# Altium PCB cam_cross_link_generic.PcbDoc (part 3 of 4) (continued)
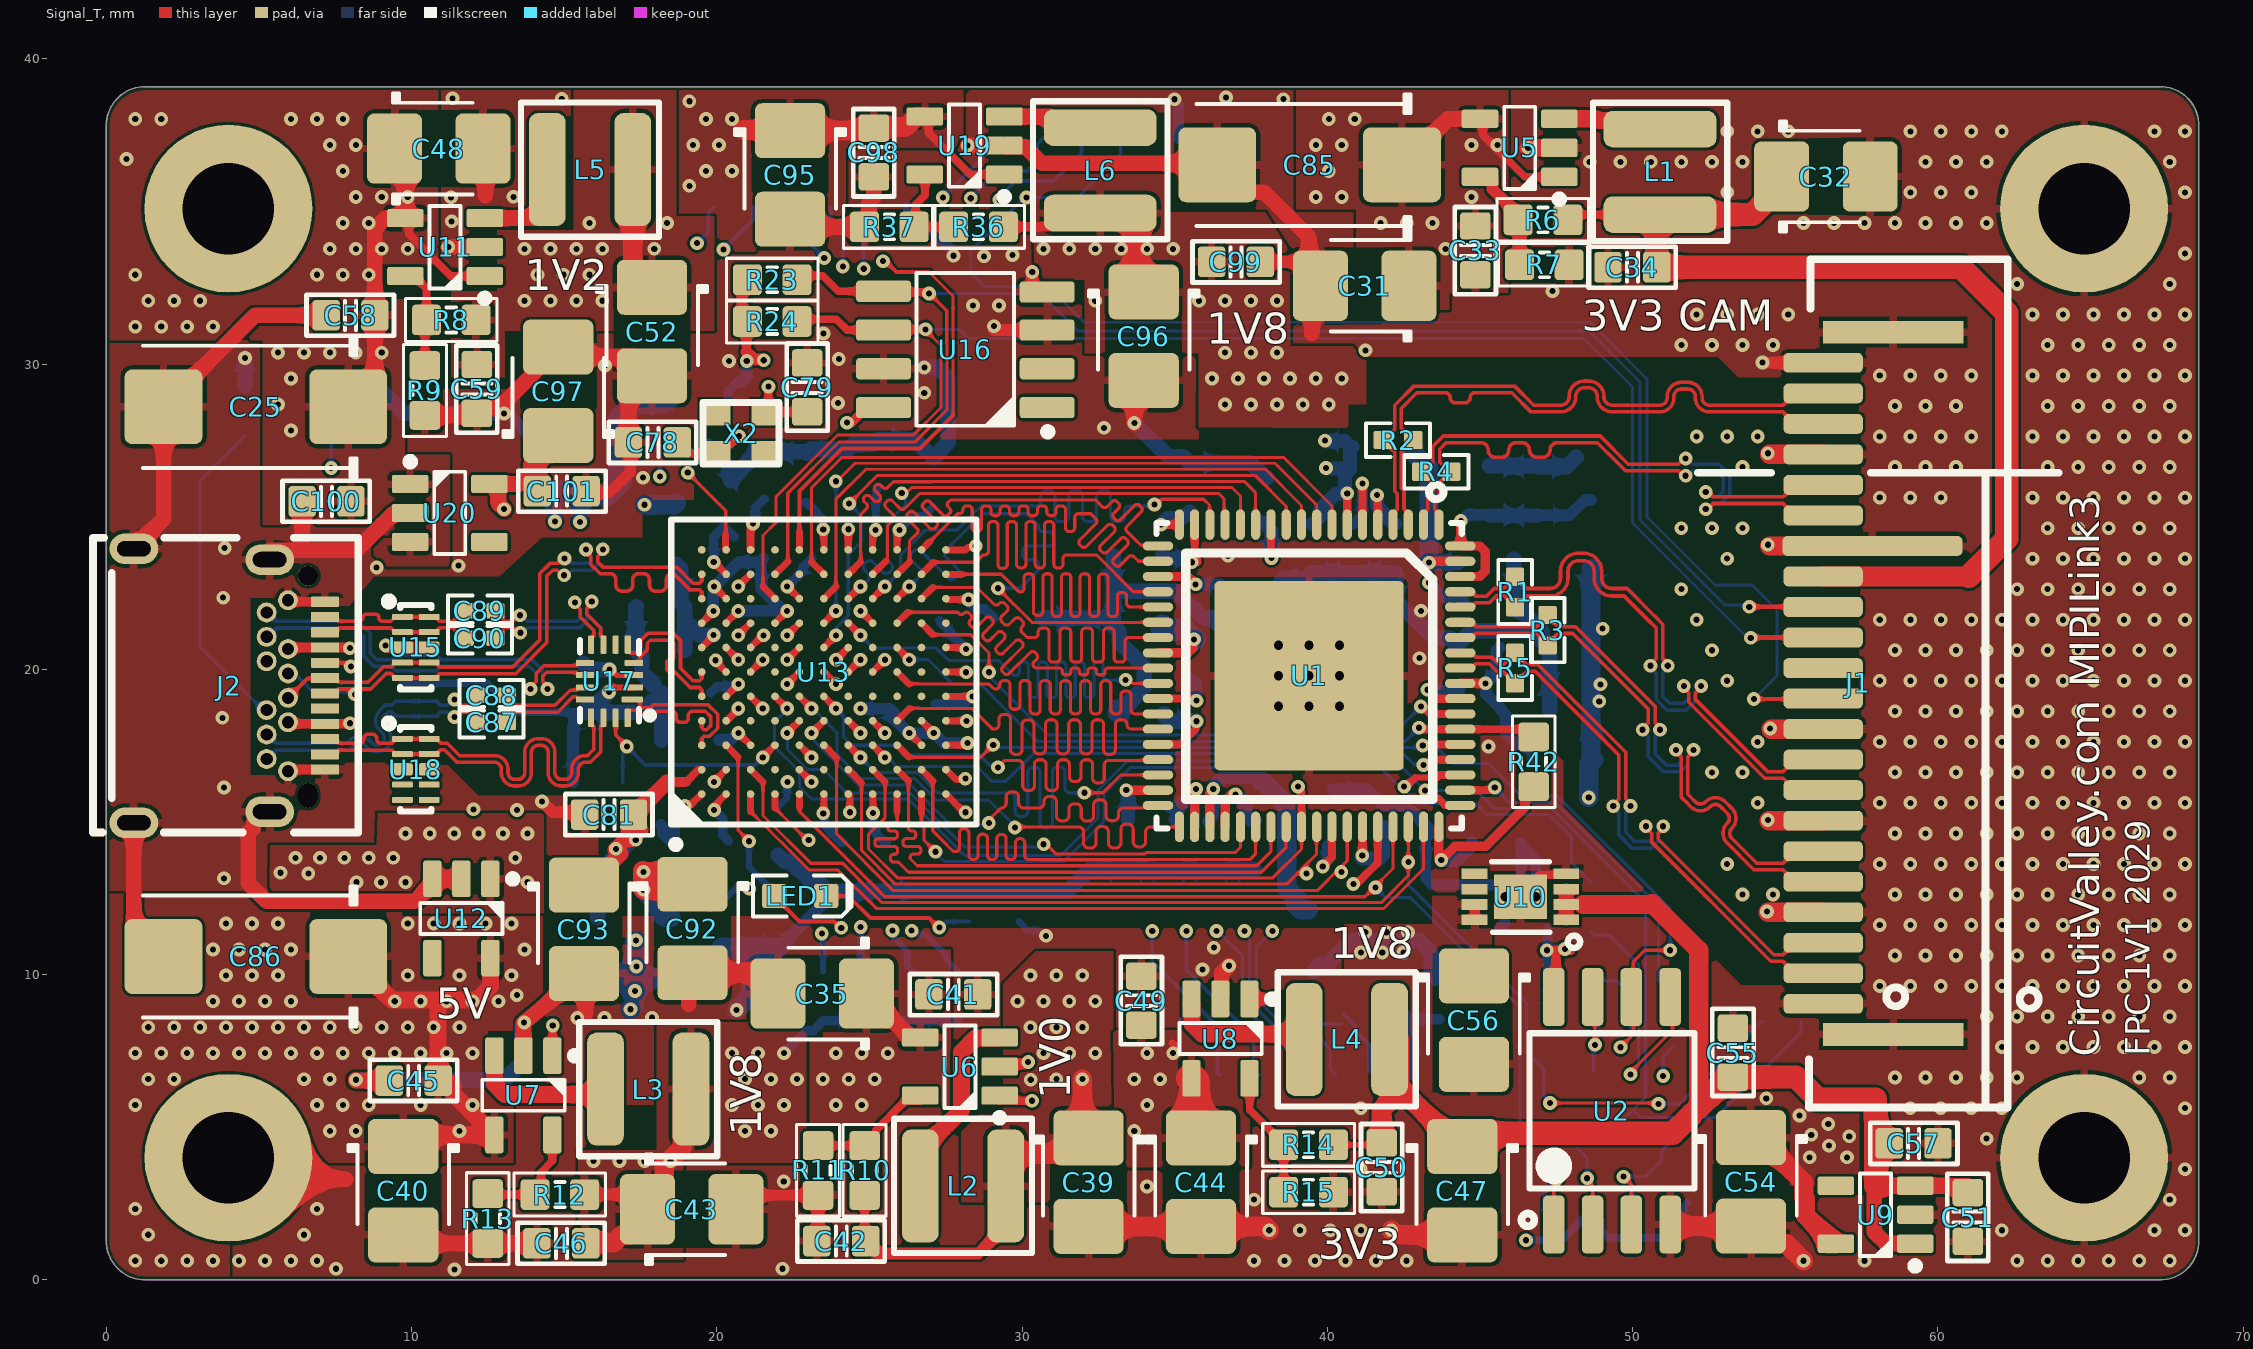
[diagram p0: Signal_T view]
## Nets (pads, with @x,y where several pads share a name; then routed paths per layer and width w, separated by ;. In a path a pad name is that pad's centre, name@x,y a point inside that pad or via, vN(x,y) a via of type N, cw(c..) or ccw(c..) an arc to the next point about the centre after c; other vN are vias at no path point) (continued)
  Signal_B w0.45: C15.2@45.309,25.041 C16.2@46.907,25.041
NetC60_2: C60.2 C61.2 FB4.2 U13.B6 | length 17
  Signal_T w0.229: v1(19.964,20.296) 19.964,20.256 U13.B6@20.307,19.913
  PWR w0.508: v1(14.696,24.845) 15.504,24.845 v1(15.523,24.827) 15.548,24.852 16.525,24.852 19.025,22.352 19.025,20.803 19.533,20.295 v1(19.964,20.296) v1(19.964,20.296)
  Signal_B w0.508: C60.2@14.188,25.757 14.224,25.794 14.274,25.794 14.47,25.598 14.47,25.548 14.696,25.321 v1(14.696,24.845) ; v1@15.519,24.827 C61.2@15.519,25.718
  Signal_B w0.762: C60.2@14.479,25.801 C61.2@15.353,25.801 ; C61.2@15.519,25.718 16.394,25.718 16.84,26.164 16.84,28.245 17.354,28.759 18.286,28.759 18.38,28.853 FB4.2@18.38,28.905
NetC76_2: C76.2 C77.2 FB5.2 U13.A7 | length 4.4
  Signal_T w0.229: U13.A7@19.507,20.713 19.899,21.105 v1(19.899,21.127)
  Signal_B w0.508: FB5.2@18.669,23.444 18.815,23.298 18.815,22.193 18.951,22.057 18.951,21.407 18.951,20.632 C76.2@18.942,20.623 ; 19.157,21.407 19.455,21.109 19.875,21.109 19.893,21.127 v1(19.899,21.127)
NetC78_2: C78.2 U13.C6 X2.1 | length 11.2
  Signal_T w0.229: U13.C6@21.107,19.913 v1@21.514,20.32
  Signal_T w0.254: C78.2@18.707,27.432 18.707,27.382 19.03,27.059 19.08,27.059 19.081,27.058 X2.1@19.945,27.058 20.243,27.356 20.447,27.356 v1(20.726,27.635)
  Signal_INT w0.127: v1(20.726,27.635) 20.726,27.33 21.768,26.289 21.768,24.435 21.12,23.787 21.12,20.713 v1@21.514,20.32
  other v1: 21.507,20.313
NetC79_2: C79.2 U13.C7 X2.3 | length 11.3
  Signal_T w0.229: U13.C7@21.107,20.713 21.511,21.117 v1@21.536,21.117
  Signal_T w0.254: v1(21.692,29.261) 21.692,28.361 21.766,28.435 C79.2@22.962,28.435
  Signal_INT w0.127: v1@21.536,21.117 21.52,21.133 21.52,23.795 22.07,24.344 22.07,28.883 v1(21.692,29.261)
  other v1: 21.536,21.113
NetC80_2: C80.2 C92.1 FB6.2 U13.B5 | length 16.5
  Signal_T w0.229: U13.B5@20.307,19.113 v1@20.701,19.507
  Signal_T w0.635: v1@17.577,12.812 17.58,13.364 v1@17.581,13.402 ; v1(17.602,13.364) 17.608,13.359 18.802,13.359 C92.1@19.202,12.958 C92.1@19.785,12.376 ; v1@17.608,12.775 C92.1@18.802,12.775
  PWR w0.635: v1@17.588,12.702 v1@17.588,13.447 ; v1(17.602,13.364) 18.136,13.898 18.136,17.958 19.685,19.507 v1@20.701,19.507
  Signal_B w0.305: C80.2@19.799,19.228 20,19.428 20.583,19.428 20.662,19.507 v1@20.701,19.507
  Signal_B w0.635: 17.574,13.023 v1@17.574,13.369 ; v1(17.602,12.78) 18.134,12.248 18.134,12.029 18.291,11.871 FB6.2@18.491,11.871
  other v1: 20.707,19.513
NetC81_2: C81.2 C93.1 FB7.2 U13.A2 | length 10.6
  Signal_T w0.229: U13.A2@19.397,16.704 19.498,16.704 U13.A2@19.507,16.713
  Signal_T w0.254: 18.999,16.307 U13.A2@19.397,16.704
  Signal_T w0.305: 18.364,16.307 18.999,16.307
  Signal_T w0.508: C93.1@15.646,12.931 15.896,12.931 16.542,13.577 16.542,13.649 v1@16.852,13.959 ; v1@16.667,14.084 16.977,14.394 ; 17.109,14.414 17.109,14.912 17.43,15.233 17.43,15.372 18.364,16.307 ; v1@17.199,14.427 17.509,14.736
  PWR w0.508: v1@16.739,14.06 17.093,14.414 v1(17.345,14.414)
  Signal_B w0.508: FB7.2@16.104,11.871 16.104,13.284 16.795,13.976 16.795,14.118 v1(16.694,14.118) ; 16.54,13.754 v1@17.231,14.446
NetJ2_A5: J2.A5 R17.1 | length 9.4
  Signal_T w0.117: J2.A5@7.164,20.213 7.918,20.213 8.066,20.066 8.043,20.089 v1(8.012,20.089)
  Signal_INT w0.127: v1(7.366,26.594) 7.366,25.197 7.925,24.638 7.925,22.581 8.409,22.096 8.409,20.322 8.238,20.151 8.074,20.151 v1(8.012,20.089)
  Signal_B w0.117: v1(7.366,26.594) 7.366,27.483 R17.1@7.544,27.66
NetJ2_B5: J2.B5 R16.1 | length 10.6
  Signal_B w0.102: R16.1@4.551,27.66 3.073,26.183 3.073,20.726 5.137,18.663 J2.B5@5.254,18.663
NetL1_1: L1.1 U5.3 | length 1.9
  Signal_T w0.559: U5.3@47.604,38.034 48.837,38.034 48.895,37.976 L1.1@49.53,37.976
NetL2_1: L2.1 U6.3 | length 4.9
  Signal_T w0.559: L2.1@26.923,4.463 26.988,4.528 28.016,5.557 28.016,7.46 28.471,7.914 29.245,7.914 U6.3@29.265,7.935
NetL3_1: L3.1 U7.3 | length 4.8
  Signal_T w0.559: U7.3@12.715,7.345 12.715,6.411 13.056,6.071 16.177,6.071 L3.1@16.355,6.248
NetL4_1: L4.1 U8.3 | length 4.9
  Signal_T w0.559: U8.3@35.536,9.07 35.57,9.036 35.57,8.378 35.898,8.05 39.251,8.05 39.427,7.874 L4.1@39.57,7.874
NetL5_1: L5.1 U11.3 | length 3.6
  Signal_T w0.508: U11.3@12.415,34.798 U11.3@12.4,34.783 14.085,34.783 14.107,34.805 14.42,34.805 14.427,34.798 14.45,34.82 L5.1@14.45,36.373
NetL6_1: L6.1 U19.3 | length 3.3
  Signal_T w0.508: U19.3@29.418,38.11 30.925,38.11 31.288,37.747 L6.1@32.563,37.747
NetLED1_K: LED1.K R41.1 | length 5.2
  Signal_T w0.127: LED1.K@23.583,12.573 24.308,12.573 25.033,11.848 26.952,11.848 27.259,11.541 v1(27.292,11.541)
  Signal_B w0.127: v1(27.292,11.541) 27.334,11.541 27.528,11.735 R41.1@28.27,11.735
NetR6_2: R6.2 R7.1 U5.5 | length 3.6
  Signal_T w0.381: U5.5@45.004,36.134 45.304,36.134 45.414,36.024 45.414,35.724 45.968,35.17 45.968,35.008 R6.2@46.252,34.723 46.3,34.723 R7.1@46.3,33.25
NetR8_2: R8.2 R9.1 U11.5 | length 3.1
  Signal_T w0.254: U11.5@10.099,32.878 10.49,32.487 R8.2@10.49,31.445 10.439,31.395 R9.1@10.439,29.947
NetR10_2: R10.2 R11.1 U6.5 | length 4
  Signal_T w0.254: R11.1@23.317,4.394 24.866,4.394 25.214,4.742 25.214,4.903 26.168,5.857 U6.5@26.665,5.857
NetR12_2: R12.2 R13.1 U7.5 | length 3.7
  Signal_T w0.254: R13.1@12.497,2.82 12.523,2.794 R12.2@14.046,2.794 14.244,2.992 14.244,3.526 14.615,3.898 U7.5@14.615,4.745
NetR14_2: R14.2 R15.1 U8.5 | length 4.3
  Signal_T w0.254: U8.5@37.462,6.839 37.462,5.566 38.507,4.521 R14.2@38.532,4.521 ; R15.1@38.573,2.871 R14.2@38.573,4.42
NetR19_1: R19.1 U13.C8 | length 9.3
  Signal_T w0.229: v1@20.705,21.107 20.705,21.117 21.09,21.503 21.102,21.513 U13.C8@21.107,21.513
  Signal_INT w0.127: v1(18.136,26.314) 18.999,25.451 18.999,21.107 19.395,20.711 20.293,20.711 20.689,21.107 v1@20.705,21.107
  Signal_B w0.127: R19.1@18.11,27.381 18.136,27.356 v1(18.136,26.314)
  other v1: 20.705,21.113
NetR20_1: R20.1 U13.B3 | length 5.7
  Signal_T w0.102: 20.701,17.12 20.701,14.724 v1(21.057,14.368)
  Signal_T w0.229: U13.B3@20.307,17.513 20.701,17.12
  Signal_B w0.203: v1(21.057,14.368) 21.057,13.512 21.659,12.91 21.659,12.894 22.031,12.522 R20.1@22.047,12.522
NetR21_1: R21.1 U13.B2 U13.B4 U13.E6 | length 11.9
  Signal_T w0.229: v1@19.914,16.32 U13.B2@20.307,16.713 ; U13.B4@20.307,18.313 20.327,18.313 20.701,18.688 v1@20.701,18.732 ; v1@22.327,19.533 U13.E6@22.707,19.913
  Signal_INT w0.127: v1@19.914,16.32 21.158,17.564 21.158,18.161 20.811,18.508 20.811,18.534 20.701,18.644 20.701,18.732 21.223,19.253 22.124,19.253 22.327,19.456 v1@22.327,19.533
  Signal_INT w0.203: v1@19.914,16.32 20.472,15.761 20.472,13.61 21.017,13.065 21.017,12.861 v1(21.064,12.814)
  Signal_B w0.203: R21.1@20.168,12.573 20.27,12.471 20.612,12.814 v1(21.064,12.814)
  other v1: 19.914,16.313 20.707,18.713 22.307,19.513
NetR22_1: R22.1 U13.C5 | length 10.2
  Signal_T w0.229: U13.C5@21.107,19.113 21.519,18.702 v1@21.539,18.702
  Signal_INT w0.127: v1@21.539,18.702 21.539,17.897 22.118,17.318 22.118,16.86 21.651,16.394 21.651,14.874 23.443,13.082 v1@23.443,11.524
  Signal_B w0.203: v1(23.443,11.347) 23.485,11.305 R22.1@23.485,10.109
  other v1: 21.507,18.713
NetR29_1: R29.1 U2.5 | length 8.8
  Signal_T w0.102: v1(49.933,6.73) 49.933,6.804 51.308,8.179 U2.5@51.308,9.265
  Signal_B w0.102: R29.1@48.644,11.397 48.749,11.292 49.237,11.292 50.19,10.338 50.19,6.987 v1(49.933,6.73)
NetR30_1: R30.1 U2.2 | length 2.7
  Signal_T w0.102: v1(48.514,3.327) 48.514,3.271 48.692,3.094 U2.2@48.692,1.81
  Signal_B w0.102: R30.1@48.184,4.318 48.514,3.988 v1(48.514,3.327)
NetR31_1: R31.1 R39.2 U2.3 | length 5
  Signal_T w0.102: v1(49.708,3.378) 49.962,3.124 U2.3@49.962,1.81
  Signal_B w0.102: R39.2@50.038,2.388 50.038,3.048 v1(49.708,3.378) 50.419,3.378 50.944,3.903 50.944,4.208 R31.1@51.232,4.496
NetR32_1: R32.1 R38.2 U2.7 | length 3.3
  Signal_T w0.102: v1(48.768,7.696) U2.7@48.768,9.265
  Signal_B w0.102: R32.1@48.717,6.858 48.717,7.74 48.895,7.918 R38.2@48.895,8.56
NetR33_1: R33.1 R34.2 U2.1 | length 9.5
  Signal_T w0.102: U2.1@47.422,1.81 47.422,3.109 47.5,3.187 v1(47.5,3.281) ; U2.1@47.498,1.81 U2.1@47.498,2.56
  Signal_INT w0.127: v1(47.5,3.281) 50.837,6.618 50.941,6.618 v1(51.003,6.68)
  Signal_B w0.102: R34.2@47.041,2.286 47.098,2.343 47.098,2.879 v1(47.5,3.281) ; v1(51.003,6.68) 51.003,7.315 R33.1@51.359,7.671
NetR36_2: R36.2 R37.1 U19.5 | length 3.2
  Signal_T w0.254: U19.5@26.818,36.21 26.822,36.206 26.822,35.535 26.513,35.225 26.513,34.539 R37.1@26.467,34.493 R36.2@27.762,34.493
PMOD0: R25.1 U13.G4 | length 10.3
  Signal_T w0.229: U13.G4@24.307,18.313 v1@24.702,17.919
  Signal_INT w0.127: v1@24.702,17.919 24.628,17.919 24.232,17.523 24.232,16.827 24.699,16.359 25.417,16.359 25.867,15.909 25.867,12.709 v1(24.714,11.557)
  Signal_B w0.203: v1(24.714,11.557) 24.714,10.308 R25.1@24.913,10.109
  other v1: 24.707,17.913
PMOD1: R26.1 U13.H4 | length 9.1
  Signal_T w0.229: U13.H4@25.107,18.313 v1@25.527,17.894
  Signal_INT w0.127: v1@25.527,17.894 26.182,17.238 26.182,11.935 25.757,11.51 v1(25.757,11.447)
  Signal_B w0.203: v1(25.757,11.447) 25.799,11.405 25.799,11.209 26.238,10.77 26.238,10.28 R26.1@26.408,10.109
  other v1: 25.507,17.913
PMOD2: R27.1 U13.L4 | length 10.3
  Signal_T w0.229: U13.L4@27.507,18.313 v1@28.026,18.313
  Signal_INT w0.127: v1(26.385,11.438) 26.385,11.49 26.568,11.674 26.568,16.687 v1(28.187,18.306)
  Signal_B w0.203: v1(26.385,11.438) 26.451,11.438 26.574,11.316 26.829,11.316 27.515,10.63 27.515,10.481 27.887,10.109 R27.1@27.903,10.109
SCL_1V8: J1.13 R24.2 U13.D9 U16.6 | length 53.8
  Signal_T w0.096: 21.946,25.664 23.953,27.672 26.437,27.672
  Signal_T w0.102: 21.514,22.708 21.514,24.384 21.946,24.816 21.946,25.664 ; 26.437,27.672 27.343,28.578 27.343,30.61 v1@26.838,31.115
  Signal_T w0.152: v1@26.838,31.115 v1(26.838,31.137) ; v1@53.883,21.041 J1.13@56.246,21.041
  Signal_T w0.203: v1(53.873,21.031) v1@53.883,21.041
  Signal_T w0.229: 21.514,22.707 U13.D9@21.907,22.313
  Signal_T w0.254: R24.2@22.454,31.471 23.914,31.471 24.269,31.115 U16.6@25.463,31.115 25.485,31.137 v1(26.838,31.137)
  Signal_B w0.096: v1(26.838,31.137) 27.944,31.137 28.241,30.839 48.409,30.839 50,29.248 50,24.792 52.932,21.86 53.649,21.143 53.681,21.143 53.793,21.031 v1(53.873,21.031)
SDA_1V8: J1.14 R23.1 U13.D10 U16.5 | length 54.2
  Signal_T w0.102: 22.327,23.533 22.327,25.77 24.002,27.445 26.48,27.445 26.493,27.458 26.497,27.458 27.537,28.497 27.537,30.69 27.534,30.693 27.534,31.748 26.949,32.332 v1@26.949,32.36
  Signal_T w0.152: v1(53.823,22.047) 56.24,22.047 J1.14@56.246,22.041
  Signal_T w0.229: U13.D10@21.907,23.113 22.327,23.533
  Signal_T w0.254: R23.1@22.479,32.893 23.47,32.893 23.978,32.385 U16.5@25.463,32.385 25.463,32.36 v1@26.949,32.36
  Signal_B w0.096: v1(26.949,32.309) 30.607,32.309 31.835,31.08 48.574,31.08 50.241,29.413 50.241,24.892 53.032,22.101 53.769,22.101 v1(53.823,22.047)
SS_D_N: J2.A7 J2.B7 U13.A10 U15.5 U15.6 | length 19.6
  Signal_T w0.117: J2.A7@7.164,19.213 7.464,19.213 7.605,19.354 8.665,19.354 9.174,19.863 9.322,19.863 9.322,19.861 9.465,19.717 U15.5@9.703,19.717 U15.6@10.577,19.717 10.814,19.717 10.856,19.758 10.856,19.789 10.924,19.858 13.411,19.858 14.423,20.87 14.423,23.046 14.626,23.249 14.776,23.249 14.936,23.089 14.943,23.082 v1(15,23.082) ; v1@16.254,23.927 16.254,23.852 16.094,23.692 16.094,23.526 16.27,23.349 18.687,23.349 19.214,22.823 19.439,22.823 19.507,22.892 U13.A10@19.507,23.113
  Signal_B w0.117: J2.B7@5.954,19.863 6.056,19.761 6.274,19.761 6.782,19.253 8.077,19.253 v1@8.103,19.228 ; v1(15,23.082) 15.08,23.082 15.086,23.089 15.246,23.249 15.897,23.249 16.094,23.446 16.094,23.692 16.254,23.852 v1@16.254,23.927
  other v1: 8.144,19.179 16.267,23.93
SS_D_P: J2.A6 J2.B6 U13.A9 U15.4 U15.7 | length 20.4
  Signal_T w0.117: J2.B6@5.954,19.063 6.592,19.701 7.152,19.701 J2.A6@7.164,19.713 7.464,19.713 7.605,19.573 8.574,19.573 9.084,20.082 9.33,20.082 9.465,20.217 U15.4@9.703,20.217 U15.7@10.577,20.217 10.814,20.217 10.856,20.176 10.856,20.145 10.924,20.076 13.32,20.076 14.204,20.961 14.204,23.136 14.535,23.468 14.776,23.468 14.936,23.628 v1@15.011,23.628 ; v1(15.715,23.927) 15.715,23.852 15.875,23.692 15.875,23.435 16.18,23.13 16.505,23.13 cw(c16.505,22.938) 16.697,22.938 16.697,22.755 ccw(c16.889,22.755) 16.889,22.563 17.054,22.563 ccw(c17.054,22.755) 17.247,22.755 17.247,22.938 cw(c17.439,22.938) 17.439,23.13 17.604,23.13 cw(c17.604,22.938) 17.796,22.938 17.796,22.751 ccw(c17.988,22.751) 17.988,22.558 18.153,22.558 ccw(c18.153,22.751) 18.346,22.751 18.346,22.938 cw(c18.538,22.938) 18.538,23.13 18.597,23.13 19.123,22.604 19.439,22.604 19.507,22.535 U13.A9@19.507,22.313
  Signal_B w0.117: J2.B6@5.954,19.063 J2.B6@6.024,19.134 ; v1@15.011,23.628 15.086,23.628 15.246,23.468 15.806,23.468 15.875,23.536 15.875,23.692 15.715,23.852 v1(15.715,23.927)
  other v1: 15.011,23.629
SS_RX1_N: J2.B10 U14.4 U14.7 U17.9 | length 13
  Signal_T w0.117: v1@13.919,19.355 13.919,19.445 14.081,19.607 14.081,19.863 14.337,20.118 15.394,20.118 15.485,20.209 U17.9@15.685,20.209
  Signal_B w0.117: J2.B10@5.254,21.063 5.284,21.063 5.575,21.354 8.167,21.354 8.433,21.088 8.433,20.435 8.771,20.097 9.345,20.097 9.486,19.956 U14.7@10.597,19.956 10.835,19.956 10.876,19.998 10.876,20.028 10.945,20.097 13.854,20.097 14.079,19.872 14.079,19.59 13.919,19.43 v1@13.919,19.355
  other v1: 13.899,19.354
SS_RX1_P: J2.B11 U14.5 U14.6 U17.10 | length 13
  Signal_T w0.117: v1(14.458,19.355) 14.458,19.445 14.3,19.603 14.3,19.772 14.427,19.899 15.394,19.899 15.485,19.809 U17.10@15.685,19.809
  Signal_B w0.117: J2.B11@5.254,21.863 5.284,21.863 5.575,21.573 8.258,21.573 8.652,21.178 8.652,20.526 8.862,20.316 9.345,20.316 9.444,20.415 9.682,20.415 U14.5@9.723,20.456 U14.6@10.597,20.456 10.835,20.456 10.876,20.415 10.876,20.385 10.945,20.316 13.945,20.316 14.298,19.962 14.298,19.59 14.458,19.43 v1(14.458,19.355)
SS_RX2_N: J2.A10 U17.13 U18.1 U18.10 | length 13.8
  Signal_T w0.117: J2.A10@7.164,17.713 7.464,17.713 7.605,17.573 8.23,17.573 8.288,17.573 ccw(c8.288,17.721) 8.436,17.721 8.436,17.726 cw(c8.584,17.726) 8.584,17.874 8.711,17.874 cw(c8.711,17.726) 8.859,17.726 8.859,17.721 ccw(c9.007,17.721) 9.007,17.573 9.346,17.573 9.404,17.631 9.424,17.651 9.424,17.681 9.465,17.723 U18.1@9.703,17.723 10.814,17.723 10.955,17.582 11.169,17.582 11.58,17.171 12.116,17.171 12.721,17.171 cw(c12.721,16.732) 13.16,16.732 13.16,16.616 ccw(c13.38,16.616) 13.38,16.397 13.49,16.397 ccw(c13.49,16.616) 13.71,16.616 13.71,17.289 cw(c14.148,17.289) 14.148,17.727 14.258,17.727 cw(c14.258,17.289) 14.697,17.289 14.697,16.615 ccw(c14.917,16.615) 14.917,16.396 15.027,16.396 ccw(c15.027,16.615) 15.247,16.615 15.247,16.732 cw(c15.685,16.732) 15.685,17.171 15.763,17.171 15.854,17.262 15.975,17.383 15.975,18.118 15.885,18.209 U17.13@15.885,18.409
SS_RX2_P: J2.A11 U17.14 U18.2 U18.9 | length 13.8
  Signal_T w0.117: J2.A11@7.164,17.213 7.464,17.213 7.605,17.354 9.355,17.354 9.424,17.285 9.424,17.264 9.465,17.223 U18.2@9.703,17.223 10.814,17.223 10.955,17.363 11.078,17.363 11.49,16.952 12.116,16.952 12.721,16.952 cw(c12.721,16.732) 12.941,16.732 12.941,16.616 ccw(c13.38,16.616) 13.38,16.178 13.49,16.178 ccw(c13.49,16.616) 13.929,16.616 13.929,17.289 cw(c14.148,17.289) 14.148,17.508 14.258,17.508 cw(c14.258,17.289) 14.478,17.289 14.478,16.615 ccw(c14.917,16.615) 14.917,16.177 15.027,16.177 ccw(c15.027,16.615) 15.466,16.615 15.466,16.732 cw(c15.685,16.732) 15.685,16.952 15.854,16.952 16.194,17.292 16.194,18.118 16.285,18.209 U17.14@16.285,18.409
SS_TX1_N: C90.1 J2.A3 U15.2 U15.9 | length 5.4
  Signal_T w0.117: C90.1@11.743,21.02 11.693,21.02 11.379,21.334 11.379,21.358 10.924,21.358 10.856,21.289 10.856,21.258 10.814,21.217 U15.9@10.577,21.217 U15.2@9.703,21.217 9.465,21.217 9.329,21.354 J2.A3@7.605,21.354 ; J2.A3@7.464,21.213 J2.A3@7.605,21.354 ; J2.A3@7.464,21.213 J2.A3@7.164,21.213 J2.A3@7.464,21.213 ; J2.A3@7.464,21.213 J2.A3@7.605,21.354
SS_TX1_P: C89.1 J2.A2 U15.1 U15.10 | length 5.7
  Signal_T w0.117: C89.1@11.743,21.915 11.693,21.915 11.379,21.601 11.379,21.576 10.924,21.576 10.856,21.645 10.856,21.676 10.814,21.717 U15.10@10.577,21.717 U15.1@9.703,21.717 9.465,21.717 9.429,21.681 9.371,21.622 9.321,21.573 9.238,21.573 9.047,21.573 cw(c9.047,21.69) 8.93,21.69 8.93,21.697 ccw(c8.825,21.697) 8.825,21.802 8.51,21.802 ccw(c8.51,21.697) 8.406,21.697 8.406,21.69 cw(c8.288,21.69) 8.288,21.573 8.23,21.573 J2.A2@7.605,21.573 ; J2.A2@7.464,21.713 7.164,21.713 J2.A2@7.464,21.713 ; J2.A2@7.464,21.713 J2.A2@7.605,21.573 ; J2.A2@7.464,21.713 J2.A2@7.605,21.573
SS_TX2_N: C88.1 J2.B3 U14.2 U14.9 | length 9
  Signal_T w0.117: v1@11.405,18.976 11.48,18.976 11.64,18.817 11.814,18.817 11.882,18.885 11.882,18.96 12.074,19.152 C88.1@12.124,19.152
  Signal_B w0.117: J2.B3@5.254,17.863 5.284,17.863 5.575,17.573 6.937,17.573 6.947,17.573 7.113,17.573 7.21,17.573 7.885,17.573 7.98,17.668 cw(c8.303,17.346) 8.589,17.7 8.593,17.7 8.624,17.669 ; 8.625,17.668 8.707,17.586 ccw(c8.875,17.753) 9.042,17.585 ccw(c8.875,17.753) 9.042,17.92 ; 9.041,17.921 8.96,18.002 cw(c9.282,18.325) 8.959,18.647 9.079,18.766 9.143,18.83 9.359,18.83 U14.2@9.437,18.908 ; U14.2@9.437,18.908 9.486,18.956 U14.9@10.597,18.956 10.835,18.956 10.876,18.915 10.876,18.885 10.945,18.816 11.17,18.816 11.33,18.976 v1@11.405,18.976
  other v1: 11.408,19.009
SS_TX2_P: C87.1 J2.B2 U14.1 U14.10 | length 9
  Signal_T w0.117: v1(11.405,18.437) 11.48,18.437 11.64,18.598 11.814,18.598 11.882,18.529 11.882,18.454 12.074,18.263 C87.1@12.124,18.263
  Signal_B w0.117: J2.B2@5.254,17.063 5.284,17.063 5.575,17.354 7.03,17.354 7.113,17.354 7.144,17.354 7.976,17.354 8.135,17.513 ; 8.135,17.513 cw(c8.303,17.346) 8.471,17.513 8.552,17.431 ccw(c8.875,17.753) 9.197,17.431 ccw(c8.875,17.753) 9.197,18.076 9.115,18.157 cw(c9.282,18.325) 9.115,18.493 9.233,18.611 9.331,18.611 U14.1@9.437,18.505 ; U14.1@9.437,18.505 9.486,18.456 U14.10@10.597,18.456 10.835,18.456 10.876,18.498 10.876,18.528 10.945,18.597 11.17,18.597 11.33,18.437 v1(11.405,18.437)
UART_CTS: U1.53 U13.C1 | length 25.9
  Signal_T w0.096: 25.336,12.163 41.847,12.163
  Signal_T w0.102: 21.107,15.342 23.025,13.424 23.965,13.424 25.221,12.167 25.331,12.167 25.336,12.163 ; 41.847,12.163 41.852,12.167 41.86,12.167 43.155,13.462 U1.53@43.155,14.84
  Signal_T w0.229: 21.107,15.342 U13.C1@21.107,15.913
USB3_MUX_OE: R28.1 U13.D3 U17.15 | length 8
  Signal_T w0.117: 16.71,18.037 16.71,18.384 U17.15@16.685,18.409 16.685,17.859 v1@16.993,17.551
  Signal_T w0.229: v1@21.514,17.094 21.514,17.12 U13.D3@21.907,17.513
  Signal_B w0.117: R28.1@16.917,16.307 16.917,17.248 17.053,17.384 v1(17.053,17.474) 17.661,16.866 21.26,16.866 v1(21.507,17.113)
USB3_MUX_SEL: U17.6
USB_T\R\S\T\: P2.6 U13.B11 | length 12.1
  Signal_T w0.102: v1(19.05,26.441) 20.293,25.198 20.293,24.42
  Signal_T w0.229: 20.293,24.42 20.293,23.961 20.298,23.955 20.298,23.922 U13.B11@20.307,23.913
  Signal_INT w0.127: v1(19.05,26.441) 19.355,26.746 v1(19.355,33.96)
  Signal_B w0.127: v1(19.355,33.96) 19.727,34.332 19.727,34.967 P2.6@19.914,35.154
USB_TCK: P2.2 U13.F6 | length 17.7
  Signal_T w0.229: U13.F6@23.507,19.913 23.876,19.545 v1@23.876,19.533
  Signal_INT w0.127: v1@23.876,19.533 23.317,20.091 23.317,23.47 22.911,23.876 22.911,31.598 23.673,32.36 24.12,32.36 24.816,33.055 v1(24.816,33.122)
  Signal_B w0.127: v1(24.816,33.122) 24.816,34.976 P2.2@24.994,35.154
  other v1: 23.907,19.513
USB_TDI: P2.3 U13.E7 | length 16.7
  Signal_T w0.229: v1@22.301,20.307 U13.E7@22.707,20.713
  Signal_INT w0.127: v1@22.301,20.307 23.063,21.069 23.063,23.364 22.657,23.771 22.657,31.725 v1(24.13,33.198)
  Signal_B w0.127: P2.3@23.724,35.154 23.724,34.774 24.13,34.368 v1(24.13,33.198)
  other v1: 22.307,20.313
USB_TDO: P2.5 U13.C10 | length 14.1
  Signal_T w0.229: v1@20.705,22.708 20.705,22.711 U13.C10@21.107,23.113
  Signal_INT w0.127: v1(20.218,33.757) 19.634,33.172 19.634,27.153 20.483,26.304 20.483,24.065 20.701,23.847 v1@20.701,22.712
  Signal_B w0.127: v1(20.218,33.757) 21.184,34.722 P2.5@21.184,35.154
  other v1: 20.705,22.713
USB_TMS: P2.4 U13.E8 | length 15.9
  Signal_T w0.229: v1@22.293,21.11 22.304,21.11 U13.E8@22.707,21.513
  Signal_INT w0.127: v1@22.293,21.11 22.809,21.626 22.809,23.259 22.403,23.666 22.403,32.36 v1(23.52,33.477)
  Signal_B w0.127: P2.4@22.454,35.154 22.64,34.967 22.64,34.358 v1(23.52,33.477)
  other v1: 22.307,21.113
VUSB: J2.A4 J2.A9 J2.B4 J2.B9 U12.1 | length 4.2
  Signal_T w0.305: J2.B4@6.005,18.263 6.055,18.213 7.961,18.213 v1(7.981,18.233) ; J2.B9@6.005,20.663 6.055,20.713 7.96,20.713 v1(7.98,20.693)
  PWR w0.305: J2.B4@6.005,18.263 J2.B4@6.09,18.263 ; J2.B9@6.005,20.663 J2.B9@6.078,20.663
  other v1: 8.2,13.024 9,13.024 9.8,13.024 13.8,13.024 6.62,13.311 5.706,13.336 6.2,13.824 7,13.824 7.8,13.824 8.6,13.824 9.4,13.824 13.4,13.824 9.8,14.624 10.6,14.624 11.4,14.624 12.2,14.624 13,14.624 13.8,14.624
pads on no net: C1.0 C2.0 C3.0 C4.0 C5.0 C6.0 C7.0 C8.0 C9.0 C10.0 C11.0 C12.0 C13.0 C14.0 C15.0 C16.0 C17.0 C18.0 C19.0 C20.0 C21.0 C22.0 C23.0 C24.0 C25.0 C31.0 C32.0 C33.0 C34.0 C35.0 C39.0 C40.0 C41.0 C42.0 C43.0 C44.0 C45.0 C46.0 C47.0 C48.0 C49.0 C50.0 C51.0 C52.0 C53.0 C54.0 C55.0 C56.0 C57.0 C58.0 C59.0 C60.0 C61.0 C62.0 C63.0 C64.0 C65.0 C66.0 C67.0 C68.0 C69.0 C70.0 C71.0 C72.0 C73.0 C74.0 C75.0 C76.0 C77.0 C78.0 C79.0 C80.0 C81.0 C82.0 C85.0 C86.0 C87.0 C88.0 C89.0 C90.0 C91.0 C92.0 C93.0 C94.0 C95.0 C96.0 C97.0 C98.0 C99.0 C100.0 C101.0 FB1.0 FB2.0 FB3.0 FB4.0 FB5.0 FB6.0 FB7.0 FB8.0 J1.12 J2.1 J2.A8 J2.B8 LED1.0 R1.0 R2.0 R3.0 R4.0 R5.0 R6.0 R7.0 R8.0 R9.0 R10.0 R11.0 R12.0 R13.0 R14.0 R15.0 R16.0 R17.0 R19.0 R20.0 R21.0 R22.0 R23.0 R24.0 R25.0 R26.0 R27.0 R28.0 R29.0 R30.0 R31.0 R32.0 R33.0 R34.0 R35.0 R36.0 R37.0 R38.0 R39.0 R40.0 R41.0 R42.0 R43.0 U5.0 U6.0 U7.0 U8.0 U9.0 U9.4 U10.5 U10.6 U11.0 U12.0 U12.4 U13.A11 U13.C4 U13.C9 U13.D2 U13.D4 U13.D6 U13.D7 U13.D11 U13.E10 U13.F2 U13.G5 U13.H5 U13.H7 U13.J5 U13.K5 U13.K6 U13.K7 U13.L8 U16.0 U16.1 U16.2 U18.4 U18.5 U18.6 U18.7 U19.0 U20.0 U20.4 X2.2 X2.4

## Polygon pours and split planes (outlines as drawn)
1V2 on PWR "1V2_L03_P016" (solid, pour order 16): 22.219,15.265 10.135,15.265 10.135,27.737 12.7,27.737 12.7,35.077 22.219,35.077
FPGA_1V8 on PWR "FPGA_1V8_L03_P025" (solid, pour order 25): 36.17,34.981 40.411,34.981 40.411,32.309 51.029,32.309 51.029,0.025 43.434,0.025 43.434,8.23 39.37,8.23 39.37,14.681 44.425,14.681 44.425,27.838 36.17,27.838
1V8 on PWR "1V8_L03_P008" (solid, pour order 8): 22.278,13.792 29.362,13.792 29.362,21.285 27.051,21.285 27.051,25.908 25.603,25.908 25.603,24.105 24.333,24.105 24.333,25.908 22.095,25.908 22.095,24.232 20.676,24.232 20.676,30.658 32.614,30.658 32.614,12.395 22.268,12.395
1V2 on PWR "1V2_L03_P006" (solid, pour order 6): 22.098,22.786 22.098,25.908 24.333,25.908 24.333,24.13 25.603,24.13 25.603,25.908 27.051,25.908 27.051,22.786
GND on PWR "GND_L03_P061" (solid, pour order 61): 22.219,35.077 22.219,30.658 30.384,30.658 30.384,35.052
1V0 on PWR "1V0_L03_P024" (solid, pour order 24): 32.577,8.153 32.577,16.967 36.627,16.967 36.627,22.098 34.417,22.098 34.417,24.155 36.144,24.155 36.144,27.788 44.425,27.788 44.425,14.681 39.37,14.681 39.37,8.153
FPGA_1V8 on PWR "FPGA_1V8_L03_P019" (solid, pour order 19): 30.384,35.052 30.384,30.632 32.639,30.632 32.639,17.069 36.601,17.069 36.601,18.593 36.601,20.193 36.627,20.193 36.627,22.098 34.417,22.098 34.417,24.155 36.17,24.155 36.17,35.052
GND on PWR "GND_L03_P089" (solid, pour order 89): 47.295,38.964 64.516,38.964 67.285,38.939 67.566,38.905 67.845,38.799 68.092,38.61 68.259,38.385 68.4,37.971 68.453,1.3 cw(c67.264,1.3) 67.264,0.111 61.468,0.111 51.029,0.111 51.029,32.279 47.295,32.279
+5V on PWR "+5V_L03_P018" (solid, pour order 18): 12.7,38.976 12.7,35.077 40.411,35.077 40.411,32.309 47.295,32.309 47.295,35.077 47.295,39.026 12.75,39.026 ccw(c12.75,38.976)
VUSB on PWR "VUSB_L03_P015" (solid, pour order 15): 3.759,27.102 10.084,27.102 10.084,15.291 14.249,15.291 14.249,10.795 3.785,10.795
1V2 on PWR "1V2_L03_P004" (solid, pour order 4): 22.784,17.45 18.618,17.45 18.618,17.983 19.812,19.202 21.031,19.202 21.031,22.149 19.38,22.149 19.38,24.994 20.676,24.994 20.676,24.232 23.114,24.232 23.114,18.466
1V0 on PWR "1V0_L03_P023" (solid, pour order 23): 26.975,8.026 26.975,3.175 31.826,3.175 31.826,6.096 36.779,11.049 36.779,12.412 31.877,12.412 29.261,9.796
+5V on PWR "+5V_L03_P000" (solid, pour order 0): 7.341,12.001 7.341,0 36.805,0 36.805,5.512 31.852,5.512 31.852,3.175 26.975,3.175 26.975,8.001 23.038,8.001 23.038,3.2 14.224,3.2 14.224,12.001
GND on PWR "GND_L03_P090" (solid, pour order 90): 39.37,8.153 43.434,8.153 43.434,0.11 36.805,0.11 36.805,8.153
1V8 on PWR "1V8_L03_P002" (solid, pour order 2): 14.275,3.2 23.038,3.2 23.038,13.716 23.952,13.716 23.952,17.45 17.831,17.45 17.831,8.153 14.275,8.153
1V2 on PWR "1V2_L03_P026" (solid, pour order 26): 14.249,15.291 17.831,15.291 17.831,8.23 14.206,8.23
1V8 on PWR "1V8_L03_P021" (solid, pour order 21): 22.86,9.728 22.812,7.899 27.071,7.899 28.016,8.661 29.261,9.728 31.928,12.395 22.936,12.395 22.835,12.497
1V2 on PWR "1V2_L03_P009" (solid, pour order 9): 21.775,17.546 27.051,17.546 27.051,23.901 21.742,23.901
+5V on PWR "+5V_L03_P014" (solid, pour order 14): 12.7,39.014 1.346,39.014 ccw(c1.346,37.754) 0.086,37.754 0.086,1.307 ccw(c1.281,1.307) 1.282,0.111 7.493,0.111 7.493,12.929 3.759,12.929 3.759,27.137 10.681,27.137 10.681,27.762 12.7,27.762
+5V on PWR "+5V_L03_P040" (solid, pour order 40): 31.852,5.131 31.852,6.121 33.884,8.153 36.805,8.153 36.805,5.131
FPGA_1V8 on PWR "FPGA_1V8_L03_P020" (solid, pour order 20): 23.038,8.712
1V2 on PWR "1V2_L03_P017" (solid, pour order 17): 12.192,38.964
no net on PWR "NONET_L03_P012" (solid, pour order 12): 5.969,8.611
no net on PWR "NONET_L03_P011" (solid, pour order 11): 9.881,14.453
no net on PWR "NONET_L03_P010" (solid, pour order 10): 9.881,14.453
no net on PWR "NONET_L03_P007" (solid, pour order 7): 22.428,13.233
1V2 on PWR "1V2_L03_P005" (solid, pour order 5): 23.952,13.423 23.952,15.631 24.333,15.631 24.333,17.907 26.822,17.907 26.822,21.285 29.718,21.285 29.718,13.397
1V8 on PWR "1V8_L03_P003" (solid, pour order 3): 22.593,17.374 22.593,18.088 24.333,18.088 24.333,13.716 23.952,13.716 23.952,17.374
GND on Signal_T "GND_L01_P095" (solid, pour order 95): 57.252,0.115 67.27,0.115 ccw(c67.27,1.294) 68.449,1.294 68.449,37.798 ccw(c67.274,37.798) 67.274,38.973 55.169,38.973 55.169,9.652 53.565,9.652 47.727,15.49 47.727,16.993 46.203,18.517 45.034,18.517 45.034,16.383 43.409,14.757 43.383,0.115
GND on Signal_T "GND_L01_P064" (solid, pour order 64): 32.055,30.353 35.789,30.353 35.789,27.925 35.782,27.534 19.253,27.534 19.253,25.552 17.551,25.552 17.551,24.333 11.354,24.333 11.354,27.026 9.784,27.026 9.784,29.174 15.926,29.174 15.926,31.09 19.914,31.09 19.914,33.68 21.182,33.68 21.182,37.16 28.067,37.16 28.067,38.989 30.404,38.989 30.404,32.766 32.055,32.766
GND on Signal_T "GND_L01_P094" (solid, pour order 94): 44.377,24.74 44.377,14.859 34.505,14.859 34.505,24.74
GND on Signal_T "GND_L01_P093" (solid, pour order 93): 14.3,11.913 23.055,11.913 23.443,11.524 42.131,11.524 43.434,12.827 43.434,5.74 14.351,5.74
GND on Signal_T "GND_L01_P069" (solid, pour order 69): 37.782,35.179 38.76,33.735 38.76,30.234 52.797,30.234 53.466,29.566 55.372,29.566 55.372,38.973 45.923,38.973 45.923,33.735 40.896,33.78 40.896,35.179
GND on Signal_T "GND_L01_P066" (solid, pour order 66): 29.108,38.977 29.108,38.252 34.773,38.252 34.773,35.077 38.98,35.077 38.98,38.973
+5V on Signal_T "+5V_L01_P065" (solid, pour order 65): 38.98,38.973 38.98,35.077 40.945,35.077 40.945,31.776 43.993,31.776 43.993,32.334 45.923,32.334 45.923,38.973
FPGA_1V8 on Signal_T "FPGA_1V8_L01_P063" (solid, pour order 63): 30.378,36.322 34.773,36.322 34.773,34.976 37.973,34.976 38.786,33.651 38.786,30.582 40.284,30.582 41.275,30.582 41.275,28.677 40.691,28.677 40.691,27.889 35.782,27.925 35.796,30.353 32.055,30.353 32.055,32.766 30.404,32.766
+5V on Signal_T "+5V_L01_P060" (solid, pour order 60): 18.694,38.964 28.067,38.964 28.067,37.084 24.232,37.084 24.232,33.68 19.939,33.68 19.939,34.849 18.694,34.849